# Altium PCB OpenMV电阻屏扩展板.PcbDoc
Units mm, origin at the board's own origin, x right, y up, seen from the top; angles counter-clockwise.
Board outline 69 x 56.8 mm, 2 copper layers (Top Layer, Bottom Layer); 13 components, 19 nets, 95 pads, 64 vias.
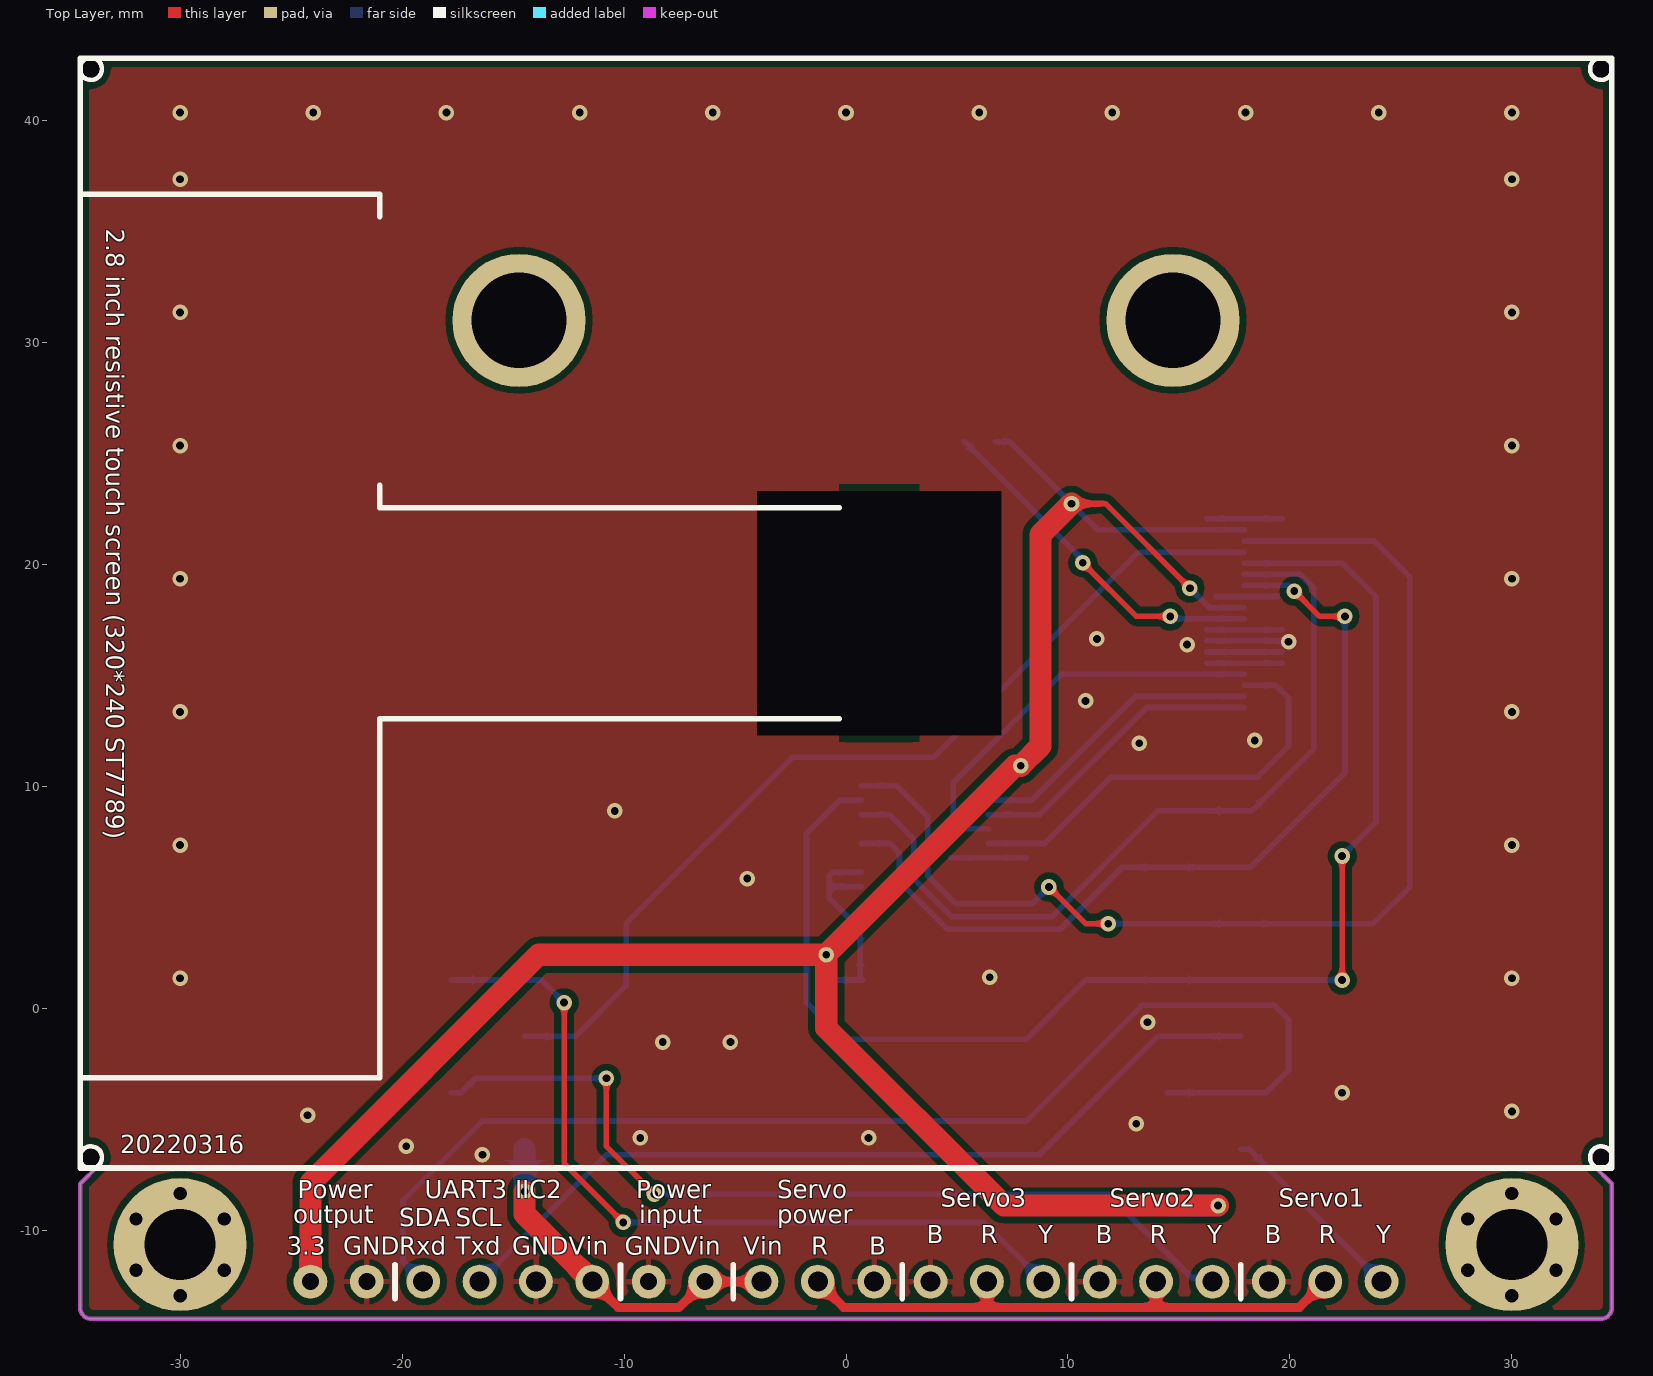
[diagram p0: Top Layer view]
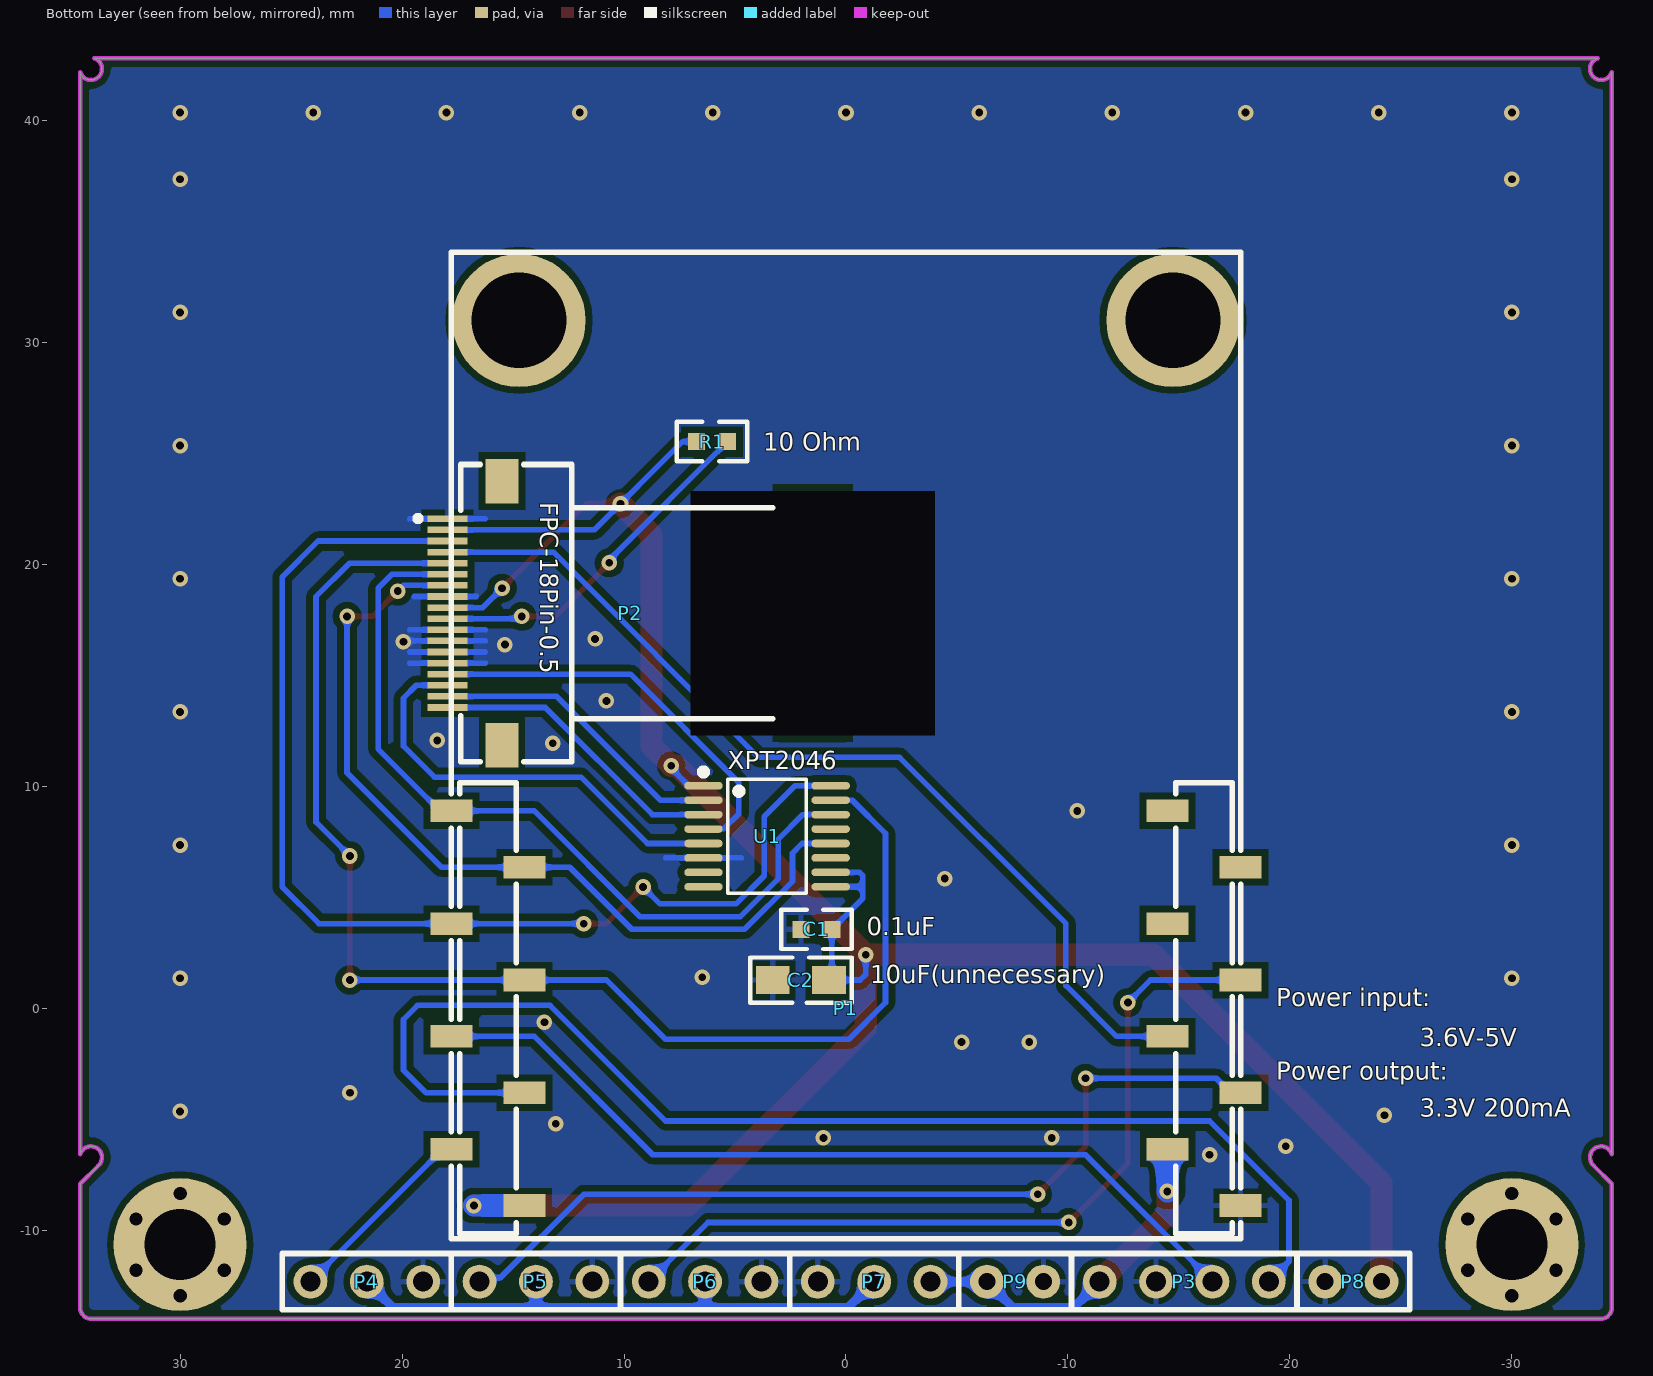
[diagram p1: Bottom Layer view, seen from below]

## Layer stack, top to bottom
Top Solder: solder mask 0.0102, Solder Resist, Dk 3.5
Top Layer: signal copper 0.0356
Dielectric 1: dielectric 0.32, FR-4, Dk 4.8
Bottom Layer: signal copper 0.0356
Bottom Solder: solder mask 0.0102, Solder Resist, Dk 3.5

## Board outline
-34.5,-13.5 -34.5,-7.907 -33.679,-7.086 ccw(c-34.02,-6.72) -34.5,-6.58 -34.5,42.18 ccw(c-34.02,42.32) -33.88,42.8 33.88,42.8 ccw(c34.02,42.32) 34.5,42.18 34.5,-6.58 ccw(c34.02,-6.72) 33.679,-7.086 34.5,-7.907 34.5,-13.5 cw(c34,-13.5) 34,-14 -34,-14 cw(c-34,-13.5)

## Design rules (kind name [scope] priority, off if disabled: settings)
Clearance Clearance_2 [InNamedPolygon('GND_L02_P000')] p1: gap=0.3 ignorepadtopadclearanceinfootprint=FALSE
Clearance Clearance_1 [InNamedPolygon('GND_L01_P002')] p2: gap=0.3 ignorepadtopadclearanceinfootprint=FALSE
Clearance [All] p3: gap=0.2 ignorepadtopadclearanceinfootprint=FALSE
ComponentClearance [All] p1 off: gap=0.254 collisioncheckmode=3 verticalgap=0.254 showdistances=FALSE
Height [All] p1 off: minheight=0 maxheight=25.4 prefheight=12.7
HoleSize [All] p1: absolutevalues=TRUE maxlimit=50 minlimit=0.025 maxpercent=80.000 minpercent=20.000
HoleToHoleClearance [All] p1: gap=0.2 allowstackedmicrovias=TRUE
MinimumSolderMaskSliver [All] p1: minsoldermaskwidth=0.2
PolygonConnect [All] p1: thpad.connectstyle=Relief thpad.reliefconductorwidth=0.254 thpad.reliefentries=4 thpad.polygonreliefangle="90 Angle" thpad.airgapwidth=0.254 smdpad.connectstyle=Relief smdpad.reliefconductorwidth=0.254 smdpad.reliefentries=4 smdpad.polygonreliefangle="90 Angle" smdpad.airgapwidth=0.254 via.connectstyle=Direct via.reliefconductorwidth=0.254 via.reliefentries=4 via.polygonreliefangle="90 Angle" via.airgapwidth=0.254
RoutingVias [All] p1: holewidth=0.4 width=0.9 viastyle="Through Hole" minholewidth=0.35 minwidth=0.7 maxholewidth=0.7 maxwidth=1.2
SilkToSilkClearance [All] p1 off: silktosilkclearance=0.254
SilkToSolderMaskClearance [IsPad] p1 off: minsilkscreentomaskgap=0.254 clearancetoexposedcopper=TRUE
SolderMaskExpansion [All] p1: expansion=0.102 istentingtop=FALSE
Width [All] p1: maxlimit=10 minlimit=0.2 preferedwidth=0.254
23 further rules are at their usual default settings.

## Components (designator, comment, footprint, x,y, rotation, side; value= is the part's Value field where it differs from the comment)
C1 "0.1uF" 0603 2.032,3.556 r180 bottom
C2 "10uF(unnecessary)" 0805 3.302,1.27 r180 bottom
P1 "OpenMV接驳板" OpenMV扩展版(贴片排母) 0,0 r0 top
P2 "2.8寸QVGA触摸屏" 2.8寸电阻屏-修改版 15.5,17.8 r0 top locked
P3 "4Pin" 4Pin-2.54 -15.24,-12.319 r180 bottom
P4 "3Pin" 3Pin-2.54 21.59,-12.319 r180 bottom
P5 "3Pin" 3Pin-2.54 13.97,-12.319 r180 bottom
P6 "3Pin" 3Pin-2.54 6.35,-12.319 r180 bottom
P7 "3Pin" 3Pin-2.54 -1.27,-12.319 r0 bottom
P8 "2Pin" 2Pin-2.54 -22.86,-12.319 r0 bottom
P9 "2Pin" 2Pin-2.54 -7.62,-12.319 r180 bottom
R1 "10 Ohm" 0603 6.731,25.527 r180 bottom value=200Ω
U1 "XPT2046" TSSOP-16_L5.0 3.556,7.747 r180 bottom

## Footprints (in the part's own frame and the unit in brackets; to place one, negate y for a bottom-side part, rotate by r counter-clockwise, add the part's x,y. Pads: shape width x height; smd on the part's side, far side on the other; paste and mask are expansions set on the pad)
2.8寸电阻屏-修改版 [mm]
  rect 3x11 hole 11 square: 0(-14,0)
  rect 1.8x0.3 smd far side: 1(2.45,4.25) 2(2.45,3.75) 3(2.45,3.25) 4(2.45,2.75) 5(2.45,2.25) 6(2.45,1.75) 7(2.45,1.25) 8(2.45,0.75) 9(2.45,0.25) 10(2.45,-0.25) 11(2.45,-0.75) 12(2.45,-1.25) 13(2.45,-1.75) 14(2.45,-2.25) 15(2.45,-2.75) 16(2.45,-3.25) 17(2.45,-3.75) 18(2.45,-4.25)
  rect 1.5x2 smd far side: 19(0,-5.95) 20(0,5.95)
  silkscreen extent -50.02,-25.02 19.02,25.02
2Pin-2.54 [mil]
  round 60 hole 30: 1(-50,0) 2(50,0)
  silkscreen extent -100,-50 100,50
3Pin-2.54 [mil]
  round 60 hole 35.43: 1(-100,0) 2(0,0) 3(100,0)
  silkscreen extent -150,-50 150,50
4Pin-2.54 [mil]
  round 60 hole 35.43: 1(-150,0) 2(-50,0) 3(50,0) 4(150,0)
  silkscreen extent -200,-50 200,50
0603 [mil]
  rect 30x30 smd: 1(0,0) 2(55,0)
  silkscreen extent -35,-35 90,35
0805 [mm]
  rect 1.524x1.25 smd: 1(0,0) 2(2.54,0)
  silkscreen extent -1.02,-1.02 3.56,1.02
OpenMV扩展版(贴片排母) [mm]
  rect 1.9x1.02 smd far side: 1(17.779,8.89) 2(14.479,6.35) 3(17.779,3.81) 4(14.479,1.27) 5(17.779,-1.27) 6(14.479,-3.81) 7(17.779,-6.35) 8(14.479,-8.89) 9(-17.779,-8.89) 10(-14.479,-6.35) 11(-17.779,-3.81) 12(-14.479,-1.27) 13(-17.779,1.27) 14(-14.479,3.81) 15(-17.779,6.35) 16(-14.479,8.89)
TSSOP-16_L5.0 [mil]
  oval 68.2x13.5 smd mask+2: 1(-112.8,89.6) 2(-112.8,64) 3(-112.8,38.4) 4(-112.8,12.8) 5(-112.8,-12.8) 6(-112.8,-38.4) 7(-112.8,-64) 8(-112.8,-89.6) 9(112.8,-89.6) 10(112.8,-64) 11(112.8,-38.4) 12(112.8,-12.8) 13(112.8,12.8) 14(112.8,38.4) 15(112.8,64) 16(112.8,89.6)
  silkscreen extent -119,-101 70,120

## Part data
C1 C2: library part Cap, "Capacitor", LatestRevisionDate=17-Jul-2002, LatestRevisionNote="Re-released for DXP Platform.", PackageDescription="Radial Cap, Thru-Hole; 2 Leads; 0.3 in Pin Spacing", PackageReference=RAD-0.3, Published=8-Jun-2000, Publisher="Altium Limited"
R1: library part Res2, "Resistor", LatestRevisionDate=17-Jul-2002, LatestRevisionNote="Re-released for DXP Platform.", PackageReference=AXIAL-0.4, Published=8-Jun-2000, Publisher="Altium Limited"
U1: BOM_JLCPCB Part Class="Extended Part", BOM_Manufacturer=XPT, BOM_Manufacturer Part=XPT2046, BOM_Supplier=LCSC, BOM_Supplier Part=C19076, spicePre=U, spiceSymbolName=XPT2046

## Free pads (board coordinates)
  round 1 hole 0.6: 0(-31.992,-11.8) 0(-31.992,-9.5) 0(-30,-12.95) 0(-30,-8.35) 0(-28.008,-11.8) 0(-28.008,-9.5) 0(28.008,-11.8) 0(28.008,-9.5) 0(30,-12.95) 0(30,-8.35) 0(31.992,-11.8) 0(31.992,-9.5)
  round 6 hole 3.2: 0(-30,-10.65) 0(30,-10.65)
  round 6 hole 4.3: 0(-14.732,30.988) 0(14.732,30.988)

## Via types
v1: diameter 0.7, hole 0.35, Top Layer to Bottom Layer, tented both sides, 64 vias

## Nets (pads, with @x,y where several pads share a name; then routed paths per layer and width w, separated by ;. In a path a pad name is that pad's centre, name@x,y a point inside that pad or via, vN(x,y) a via of type N, cw(c..) or ccw(c..) an arc to the next point about the centre after c; other vN are vias at no path point)
GND: C1.1 C2.1 P1.9 P2.1 P2.8 P2.11 P2.12 P2.13 P2.14 P3.2 P4.3 P5.3 P6.3 P7.3 P8.2 P9.2 U1.6 | length 23.2
  Bottom Layer w0.254: 4.718,6.772 U1.6 8.124,6.772 ; 16.247,15.55 P2.14 19.653,15.55 ; 16.247,16.05 P2.13 19.653,16.05 ; 16.247,16.55 P2.12 v1@19.653,16.55 ; 16.247,17.05 P2.11 19.653,17.05 ; 16.247,22.05 P2.1 19.653,22.05 ; 16.655,18.55 P2.8 19.455,18.55
  other v1: -16.383,-6.604 -19.812,-6.223 -9.271,-5.842 1.016,-5.842 13.081,-5.207 -24.257,-4.826 30,-4.65 22.352,-3.81 -8.255,-1.524 -5.207,-1.524 13.589,-0.635 -30,1.35 30,1.35 6.477,1.397 -4.445,5.842 -30,7.35 30,7.35 -10.414,8.89 13.208,11.938 18.415,12.065 -30,13.35 30,13.35 10.795,13.843 15.367,16.383 19.939,16.51 11.303,16.637 5.588,18.542 -30,19.35 30,19.35 -30,25.35 30,25.35 -30,31.35 30,31.35 -30,37.35 30,37.35 -30,40.35 -24,40.35 -18,40.35 -12,40.35 -6,40.35 0,40.35 6,40.35 12,40.35 18,40.35 24,40.35 30,40.35
LCD_D/C: P1.12 P2.4 | length 43.1
  Bottom Layer w0.254: P1.12 -12.192,-1.27 -9.906,1.016 -9.906,3.81 -2.413,11.303 3.937,11.303 13.184,20.55 P2.4
NetP2_10: P2.10 R1.2 | length 16
  Top Layer w0.254: v1(10.668,20.066) 13.081,17.653 v1(14.605,17.653)
  Bottom Layer w0.254: R1.2 10.668,20.193 v1(10.668,20.066) ; v1(14.605,17.653) 14.726,17.653 14.829,17.55 P2.10
Servo1: P1.7 P4.1 | length 8.8
  Bottom Layer w0.254: P1.7 18.161,-6.35 P4.1
Servo2: P1.11 P5.1 | length 40.2
  Top Layer w0.254: v1(-10.795,-3.154) -10.795,-6.223 v1(-8.636,-8.382)
  Bottom Layer w0.254: P1.11 -17.339,-3.81 -16.683,-3.154 v1(-10.795,-3.154) ; v1(-8.636,-8.382) 11.811,-8.382 15.575,-12.146 16.337,-12.146 P5.1
Servo3: P1.13 P6.1 | length 36.5
  Top Layer w0.254: v1(-12.7,0.254) -12.7,-6.985 v1(-10.033,-9.652)
  Bottom Layer w0.254: P1.13 -13.716,1.27 v1(-12.7,0.254) ; v1(-10.033,-9.652) 6.223,-9.652 P6.1
SPI_CS: P1.4 P2.5 U1.15 | length 61.1
  Top Layer w0.254: v1(22.352,1.27) v1(22.352,6.858)
  Bottom Layer w0.254: U1.15 -0.279,9.373 -1.778,7.874 -1.778,0.254 -0.127,-1.397 8.128,-1.397 10.795,1.27 P1.4 v1(22.352,1.27) ; P2.5 22.368,20.05 23.876,18.542 23.876,8.382 v1(22.352,6.858)
SPI_MISO: P1.2 P2.7 U1.12 | length 39.2
  Top Layer w0.254: v1(20.193,18.796) 21.336,17.653 v1(22.479,17.653)
  Bottom Layer w0.254: U1.12 1.976,7.422 2.413,6.985 2.413,5.715 4.572,3.556 9.652,3.556 12.446,6.35 P1.2 18.219,6.35 22.479,10.61 v1(22.479,17.653) ; P2.7 19.939,19.05 v1(20.193,18.796)
SPI_MOSI: P1.1 P2.6 U1.14 | length 37.1
  Bottom Layer w0.254: U1.14 1.946,8.722 3.048,7.62 3.048,5.842 4.772,4.118 9.267,4.118 14.039,8.89 P1.1 18.288,8.89 21.082,11.684 21.082,18.923 20.455,19.55 P2.6
SPI_SCK: P1.3 P2.3 U1.16 | length 52.3
  Top Layer w0.254: v1(9.144,5.461) 10.795,3.81 v1(11.811,3.81)
  Bottom Layer w0.254: U1.16 2.296,10.023 3.683,8.636 3.683,5.969 4.953,4.699 8.382,4.699 v1(9.144,5.461) ; v1(11.811,3.81) P1.3 23.749,3.81 25.4,5.461 25.4,19.431 23.781,21.05 P2.3
UART3_Rx: P1.6 P3.4 | length 56
  Bottom Layer w0.254: P3.4 -19.961,-11.408 -19.961,-8.658 -16.383,-5.08 8.128,-5.08 13.335,0.127 19.304,0.127 19.939,-0.508 19.939,-2.794 18.923,-3.81 P1.6
UART3_Tx: P1.5 P3.3 | length 38.9
  Bottom Layer w0.254: P3.3 -10.795,-6.604 8.705,-6.604 14.039,-1.27 P1.5
VCC: C1.2 C2.2 P1.8 P2.2 P2.9 P8.1 R1.1 U1.1 U1.9 U1.10 | length 119
  Top Layer w0.254: v1(10.16,22.733) 11.684,22.733 v1(15.494,18.923)
  Top Layer w1: P8.1 -24.13,-7.874 -13.843,2.413 v1(-0.889,2.413) ; v1(10.16,22.733) 8.763,21.336 8.763,11.811 v1(7.874,10.922) 7.62,10.922 v1(-0.889,2.413) ; v1(16.764,-8.89) 7.112,-8.89 -0.889,-0.889 v1(-0.889,2.413)
  Bottom Layer w0.254: v1(-0.889,2.413) -0.889,1.524 -0.635,1.27 C2.2 0.635,1.397 C1.2 -0.762,4.953 -0.762,5.471 ; U1.9 -0.762,5.471 ; U1.10 -0.61,6.121 -0.762,5.969 -0.762,5.471 ; U1.1 7.092,10.023 7.874,10.805 v1(7.874,10.922) ; R1.1 7.366,25.527 11.343,21.55 P2.2 ; v1(15.494,18.923) 16.367,18.05 P2.9
  Bottom Layer w1: P1.8 v1(16.764,-8.89)
VCC_Servo: P4.2 P5.2 P6.2 P7.2 | length 52.3
  Top Layer w0.4: P7.2 -0.108,-13.481 6.35,-13.481 ; P6.2 6.35,-13.481 ; P5.2 13.97,-13.481 ; P4.2 20.428,-13.481 13.97,-13.481 ; 6.35,-13.481 13.97,-13.481
  Bottom Layer w0.4: P7.2 -0.108,-13.481 6.35,-13.481 ; P6.2 6.35,-13.481 ; P5.2 13.97,-13.481 ; P4.2 20.428,-13.481 13.97,-13.481 ; 6.35,-13.481 13.97,-13.481
Vin: P1.10 P3.1 P7.1 P9.1 | length 24.4
  Top Layer w0.4: P3.1 -10.268,-13.481 -7.512,-13.481 P9.1 P7.1
  Top Layer w1: v1(-14.478,-8.255) -14.478,-9.271 P3.1
  Bottom Layer w0.254: P1.10 P1.10
  Bottom Layer w0.4: P3.1 -10.268,-13.481 -7.512,-13.481 P9.1 P7.1
  Bottom Layer w1: v1(-14.478,-8.255) P1.10
X+: P2.17 U1.2 | length 13.5
  Bottom Layer w0.254: U1.2 8.357,9.373 13.034,14.05 P2.17
X-: P2.15 U1.4 | length 18.4
  Bottom Layer w0.254: U1.4 6.404,8.089 5.5,8.089 4.826,8.763 4.826,10.16 9.716,15.05 P2.15
Y+: P2.18 U1.3 | length 13.5
  Bottom Layer w0.254: U1.3 8.722,8.722 13.55,13.55 P2.18
Y-: P2.16 U1.5 | length 19.7
  Bottom Layer w0.254: U1.5 8.946,7.422 11.938,10.414 18.542,10.414 19.939,11.811 19.939,13.97 19.359,14.55 P2.16
pads on no net: P1.14 P1.15 P1.16 P2.0 P2.19 P2.20 U1.7 U1.8 U1.11 U1.13

## Polygon pours and split planes (outlines as drawn)
GND on Top Layer "GND_L01_P002" (solid, remove dead copper, pour order 2): -34.5,-14 34.5,-14 34.5,42.8 -34.5,42.8
GND on Bottom Layer "GND_L02_P000" (solid, remove dead copper, pour order 0): -34.5,-14 34.5,-14 34.5,42.8 -34.5,42.8

## Keep-outs
Keep-Out Layer:
  the board outline again, w0.2

## Silkscreen, mask and mechanical layers (free items; w line width, h text height)
Top Overlay:
  lines w0.254: -20.32,-13.081 -20.32,-11.557 ; -10.16,-13.081 -10.16,-11.557 ; -5.08,-13.081 -5.08,-11.557 ; 2.54,-13.081 2.54,-11.557 ; 10.16,-13.081 10.16,-11.557 ; 17.78,-13.081 17.78,-11.557
  text "20220316" at -32.693,-6.531 h0.8
  text "Power" at -24.692,-8.563 h0.8
  text "UART3 IIC2" at -18.977,-8.563 h0.8
  text "Power" at -9.452,-8.563 h0.8
  text "Servo" at -3.102,-8.563 h0.8
  text "Servo3" at 4.264,-8.944 h0.8
  text "Servo2" at 11.884,-8.944 h0.8
  text "Servo1" at 19.504,-8.944 h0.8
  text "output" at -24.9,-9.693 h0.8
  text "input" at -9.325,-9.693 h0.8
  text "power" at -3.102,-9.693 h0.8
  text "SDA" at -20.12,-9.833 h0.8
  text "SCL" at -17.58,-9.833 h0.8
  text "B" at 3.629,-10.595 h0.8
  text "R" at 6.06,-10.595 h0.8
  text "Y" at 8.66,-10.595 h0.8
  text "B" at 11.249,-10.595 h0.8
  text "R" at 13.68,-10.595 h0.8
  text "Y" at 16.28,-10.595 h0.8
  text "B" at 18.869,-10.595 h0.8
  text "R" at 21.3,-10.595 h0.8
  text "Y" at 23.9,-10.595 h0.8
  text "3.3" at -25.2,-11.103 h0.8
  text "GND" at -22.66,-11.103 h0.8
  text "Rxd" at -20.12,-11.103 h0.8
  text "Txd" at -17.58,-11.103 h0.8
  text "GND" at -15.04,-11.103 h0.8
  text "Vin" at -12.5,-11.103 h0.8
  text "GND" at -9.96,-11.103 h0.8
  text "Vin" at -7.42,-11.103 h0.8
  text "Vin" at -4.626,-11.103 h0.8
  text "R" at -1.56,-11.103 h0.8
  text "B" at 1.04,-11.103 h0.8
Bottom Overlay:
  text "FPC-18Pin-0.5" at 13.77,22.787 h0.8 r90
  text "Power input:" at -19.377,0.086 h0.8
  text "3.6V-5V" at -25.854,-1.705 h0.8
  text "Power output:" at -19.377,-3.216 h0.8
  text "3.3V 200mA" at -25.854,-4.88 h0.8
Top Solder:
  drawing of 2462 lines, arcs and shapes, not listed
  text "@程欢欢的智能控制集" at -29.337,24.093 h4.5

## Text inside footprints (layer, text, board x,y; h text height)
P2: Top Overlay "2.8 inch resistive touch screen (320*240 ST7789)" at -33.322,35.126 h0.8 r270